# Altium PCB PCB1.PcbDoc (continued)
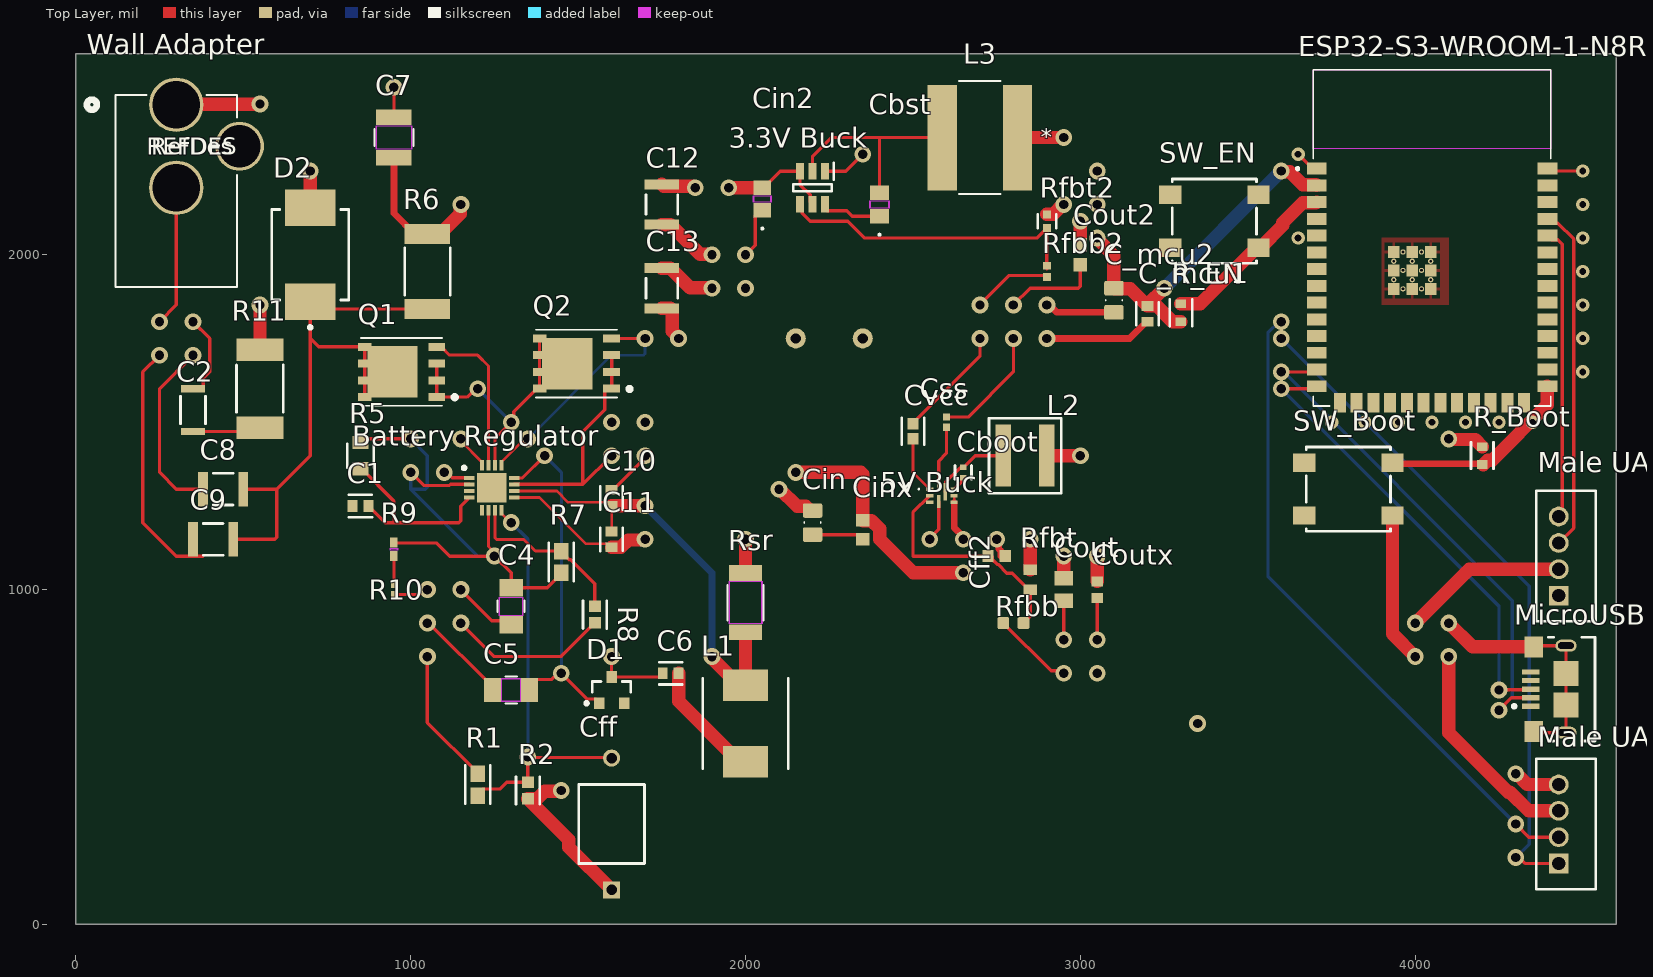
[diagram p0: Top Layer view]
## Footprints (in the part's own frame and the unit in brackets; to place one, negate y for a bottom-side part, rotate by r counter-clockwise, add the part's x,y. Pads: shape width x height; smd on the part's side, far side on the other; paste and mask are expansions set on the pad) (continued)
  rect 0.3x0.8 smd: 5(-0.75,-1.7) 6(-0.25,-1.7) 7(0.25,-1.7) 8(0.75,-1.7) 13(0.75,1.7) 14(0.25,1.7) 15(-0.25,1.7) 16(-0.75,1.7)
  rect 2.24x2.24 smd: 17(0,0)
  silkscreen extent -2.22,1.38 -1.97,1.62
R0603 [mil]
  rrect25% 35x35 smd: 1(0,30) 2(0,-30)
  body extent -31,-16 31,16, height 22
RC2010N_VIS [mm]
  rect 1.206x2.5 smd paste+0 mask+0: 1(-2.253,0) 2(2.253,0)
  Top Layer keep-out region: -1.599,-1.199 -1.599,1.199 1.599,1.199 1.599,-1.199
  Keep-Out Layer region: -1.599,-1.25 -1.599,1.25 1.599,1.25 1.599,-1.25
  silkscreen extent -1.34,-1.38 1.34,1.38, body extent -2.5,-1.25 2.5,1.25, height 0.71
RES_RMCF0402_STP [mil]
  rect 30x22 smd paste+0 mask+0: 1(-20.5,0) 2(20.5,0)
  Top Layer keep-out region: -3.5,-9 -3.5,9 3.5,9 3.5,-9
  Keep-Out Layer region: -3.5,-11 -3.5,11 3.5,11 3.5,-11
  body extent -21,-11 21,11, height 14
RESC0905X41N [mm]
  rect 0.57x0.63 smd: 1(-0.42,0) 2(0.42,0)
RESC1005X40X25LL05T10 [mm] "Chip Resistor, 2-Leads, Body 1.00x0.50mm, IPC High Density"
  rect 0.5x0.45 smd: 1(-0.375,0) 2(0.375,0)
  body extent -0.53,-0.27 0.53,0.28, height 0.4
RESC1608X55X25ML10T15 [mm] "Chip Resistor, 2-Leads, Body 1.70x0.90mm, IPC Low Density"
  rect 0.8x1 smd: 1(-0.75,0) 2(0.75,0)
  body extent -0.85,-0.45 0.85,0.45, height 0.55
SOT95P280X110-6N [mm]
  rect 1.25x0.6 smd: 1(-1.25,0.95) 2(-1.25,0) 3(-1.25,-0.95) 4(1.25,-0.95) 5(1.25,0) 6(1.25,0.95)
  silkscreen extent -1.88,-1.45 0.28,1.6
TPS566238RQFR [mm]
  rect 0.55x0.25 smd: 1(-0.925,0.5) 2(-0.925,0) 3(-0.925,-0.5) 5(0.925,-0.5) 6(0.925,0) 7(0.925,0.5)
  rect 0.25x1 smd: 4(-0.25,-0.45)
  rect 0.25x1.3 smd: 8(0.25,0.3)
  rect 0.25x0.55 smd: 9(-0.25,0.675)
  silkscreen extent -1.8,0.45 -1.7,0.55
TRANS_SIRA90DP-T1-GE3 [mm]
  rect 1.27x0.61 smd: 1(-2.67,1.905) 2(-2.67,0.635) 3(-2.67,-0.635) 4(-2.67,-1.905)
  rect 1.02x0.61 smd: 5(2.795,-1.905) 6(2.795,-0.635) 7(2.795,0.635) 8(2.795,1.905)
  rect 3.81x3.91 smd: 9(0.69,0)
  silkscreen extent -4.19,-2.58 3.08,2.58, body extent -3.07,-2.58 3.07,2.58, height 1.12
Vishay_CRCW0402-e3_MFG [mm]
  rect 0.6x0.6 smd paste+0 mask+0: 1(-0.525,0) 2(0.525,0)
  silkscreen extent -0.53,-0.7 0.53,0.7, body extent -0.92,-0.4 0.92,0.4, height 0.25
XCVR_ESP32S3WROOM1N8R8 [mm]
  rect 1.5x0.9 smd: 1(-8.75,5.26) 2(-8.75,3.99) 3(-8.75,2.72) 4(-8.75,1.45) 5(-8.75,0.18) 6(-8.75,-1.09) 7(-8.75,-2.36) 8(-8.75,-3.63) 9(-8.75,-4.9) 10(-8.75,-6.17) 11(-8.75,-7.44) 12(-8.75,-8.71) 13(-8.75,-9.98) 14(-8.75,-11.25) 27(8.75,-11.25) 28(8.75,-9.98) 29(8.75,-8.71) 30(8.75,-7.44) 31(8.75,-6.17) 32(8.75,-4.9) 33(8.75,-3.63) 34(8.75,-2.36) 35(8.75,-1.09) 36(8.75,0.18) 37(8.75,1.45) 38(8.75,2.72) 39(8.75,3.99) 40(8.75,5.26)
  rect 0.9x1.5 smd: 15(-6.985,-12.5) 16(-5.715,-12.5) 17(-4.445,-12.5) 18(-3.175,-12.5) 19(-1.905,-12.5) 20(-0.635,-12.5) 21(0.635,-12.5) 22(1.905,-12.5) 23(3.175,-12.5) 24(4.445,-12.5) 25(5.715,-12.5) 26(6.985,-12.5)
  rect 0.9x0.9 smd: 41_1(-1.5,-2.46) 41_2(-2.9,-2.46) 41_3(-0.1,-2.46) 41_4(-2.9,-3.86) 41_5(-1.5,-3.86) 41_6(-0.1,-3.86) 41_7(-2.9,-1.06) 41_8(-1.5,-1.06) 41_9(-0.1,-1.06)
  round 0.4 hole 0.2 mask+0: 41_10(-1.5,-1.76) 41_11(-2.9,-1.76) 41_12(-0.1,-1.76) 41_13(-2.9,-3.16) 41_14(-1.5,-3.16) 41_15(-0.1,-3.16) 41_16(-2.2,-1.06) 41_17(-0.8,-1.06) 41_18(-2.2,-2.46) 41_19(-0.8,-2.46) 41_20(-2.2,-3.86) 41_21(-0.8,-3.86)
  Keep-Out Layer region: 9,6.75 -9,6.75 -9,12.75 9,12.75
  Keep-Out Layer region: 9,6.75 -9,6.75 -9,12.75 9,12.75
  silkscreen extent -10.3,-12.75 9,12.75, body extent -9,-12.75 9,12.75, height 3.25

## Part data
"3.3V Buck": library part CMP-006-000000-1, "17 V Input, 3A Synchronous Step-Down Regulator in SOT-23", Manufacturer_Name="Texas Instruments", Mouser Part Number=595-TPS563209DDCR, Datasheet Link=http://www.ti.com/lit/gpn/tps563209, Design Item ID=TPS563209DDCR, Geometry.Height=1.1mm, Manufacturer_Part_Number=TPS563209DDCR, Mouser Price/Stock=https://www.mouser.co.uk/ProductDetail/Texas-Instruments/TPS563209DDCR?qs=bT6MOr62zwIer%2FLlyIAhvQ%3D%3D, Source=TPS563209DDCR.SchLib
"5V Buck": library part CMP-009-000000-1, "Switching Voltage Regulators 3-V to 18-V input, 6-A synchronous step-down regulator with forced continuous conduction mode 9-VQFN-HR -40 to 125", Manufacturer_Name="Texas Instruments", Mouser Part Number=595-TPS566238RQFR, Datasheet Link=https://www.ti.com/lit/ds/symlink/tps566238.pdf?ts=1674445033157&ref_url=https%253A%252F%252Fwww.ti.com%252Fproduct%252FTPS566238%252Fpart-details%252FTPS566238RQFR, Design Item ID=TPS566238RQFR, Geometry.Height=1mm, Manufacturer_Part_Number=TPS566238RQFR, Mouser Price/Stock=https://www.mouser.co.uk/ProductDetail/Texas-Instruments/TPS566238RQFR?qs=stqOd1AaK7%252BIxOvIy4vX6A%3D%3D, Source=TPS566238RQFR.SchLib
"Battery Regulator": library part CMP-012-000000-1, "Synchronous Switch-Mode Li-Ion or Li-Polymer Battery Charger", Manufacturer_Name="Texas Instruments", Mouser Part Number=595-BQ24600RVAR, Datasheet Link=http://www.ti.com/lit/gpn/bq24600, Design Item ID=BQ24600RVAR, Geometry.Height=1mm, Manufacturer_Part_Number=BQ24600RVAR, Mouser Price/Stock=https://www.mouser.co.uk/ProductDetail/Texas-Instruments/BQ24600RVAR?qs=3cDLNOBdYaUoGcV3mObKiw%3D%3D, Source=BQ24600RVAR.SchLib
C1 C6 C11 C_mcu1: library part CMP-2006-03724-3, "CAP CER 0.1UF 16V X7R 0603", Capacitance="0.10 μF", Manufacturer=KEMET, Package=C0603C-CF, Temperature="-55°C to +125°C", Temperature Characteristic=X7R, Temperature Coefficient=30ppm/°C, Temperature Range High=+125°C, Temperature Range Low=-55°C, Tolerance=0.1, Voltage Rating="16 V", Automotive=Yes, Automotive Grade="Grade 1", Category=Cap, ComponentLink2Description=Datasheet, ComponentLink2URL=https://api.kemet.com/component-edge/download/datasheet/C0603C100J5GACAUTO.pdf, Device Class L1="Passive Components", Device Class L2=Capacitors, Device Class L3="Ceramic Capacitors", Digikey Description="CAP CER 0.1UF 16V X7R 0603", Height=0.87mm, Lead Free=Yes, Manufacturer Part Number=C0603C104K4RAC7411, Material=Ceramic, Mouser Description="Cap Ceramic 0.1uF 16V X7R 10% SMD 0603 125°C Paper T/R", Octopart=https://octopart.com/c0603c104k4rac7411-kemet-3919501, RoHS=TRUE
C2: library part CMP-08246-002495-1, "Cap Ceramic 2.2uF 50V X7R 10% Pad SMD 1206 +125°C Automotive T/R", Capacitance=2.2uF, Case Code (Imperial)=1206, Case Code (Metric)=3216, Dielectric=X7R, Max Operating Temperature=125°C, Min Operating Temperature=-55°C, Package Quantity=1, Ratings=AEC-Q200, Tolerance=10%, Voltage Rating=50V, Case/Package=1206, Composition=Ceramic, Depth=1.6mm, Height=1.6mm, Length=3.2mm, Mount="Surface Mount", Packaging="Tape and Reel", REACH SVHC="No SVHC", Termination=SMD/SMT, Thickness=0.075inch, Voltage Rating (DC)=50V, Weight=0.000571oz, Width=0.063inch
C4 C5: "SMD Comm X7R, Ceramic, 1 uF, 10%, 16 VDC, X7R, SMD, MLCC, Temperature Stable, Class II, 1206", Manufacturer_Name=Kemet, Copyright="Copyright (C) 2025 Ultra Librarian. All rights reserved.", Datasheet=https://content.kemet.com/datasheets/KEM_C1002_X7R_SMD.pdf, Manufacturer_Part_Number=C1206C105K4RACTU
C7: "No Description Available", Manufacturer_Name=Murata, Copyright="Copyright (C) 2025 Ultra Librarian. All rights reserved.", Manufacturer_Part_Number=GRM32ER71H105KA01L
C8 C9 C12 C13: library part CMP-1038-02234-2, "Chip Capacitor, 10 uF, +/- 10%, 35 V, -55 to 125 degC, 1210 (3225 Metric), RoHS, Tape and Reel", Capacitance=10µF, Capacitance tolerance=±10%, Manufacturer=Murata, Package Description="2-Pin Surface Mount Device, Body 3.2 x 2.5 mm", Package Reference=1210, Rated Voltage=35VDC, Ceramic type=X7R, Construction form=1210, Datasheet URL=https://datasheet.ciiva.com/3777/grm32er7ya106ka1223-3777248.pdf, Datasheet Version=11/2014, Manufacturer URL=http://www.murata.com/, Mounting Technology=SurfaceMount
C10: library part CMP-2006-03061-2, "CAP CER 0.1UF 50V X7R 0603", Capacitance="0.10 μF", Manufacturer=KEMET, Package=C0603C-CF, Temperature="-55°C to +125°C", Temperature Characteristic=X7R, Temperature Coefficient=30ppm/°C, Temperature Range High=+125°C, Temperature Range Low=-55°C, Tolerance=0.1, Voltage Rating="50 V", Automotive=Yes, Automotive Grade="Grade 1", Category=Cap, ComponentLink2Description=Datasheet, ComponentLink2URL=https://api.kemet.com/component-edge/download/datasheet/C0603C100J5GACAUTO.pdf, Device Class L1="Passive Components", Device Class L2=Capacitors, Device Class L3="Ceramic Capacitors", Digikey Description="CAP CER 0.1UF 50V X7R 0603", Height=0.87mm, Lead Free=Yes, Manufacturer Part Number=C0603C104K5RACTU, Material=Ceramic, Octopart=https://octopart.com/c0603c104k5ractu-kemet-139244, RoHS=TRUE
C_mcu2 Cin Cout Rfbb2: Package=None, Availability=Unavailable, Price=None
  C_mcu2 Cin: MF="{'manufacturer': u'Taiyo Yuden'}", MP=MSASE21GBB5226MTNA01
  Cout: MP=altium_native_batch
  Rfbb2: MP=M55342K11B10E0RS3
Cboot: library part CMP-2100-03641-2, "CAP CER 0.1UF 16V X7R 0402", Capacitance=0.10μF, Manufacturer=Murata, Package=GRM15, Temperature="-55°C to +125°C", Temperature Characteristic=X7R, Temperature Range High=+125°C, Temperature Range Low=-55°C, Tolerance=10%, Voltage Rating=16Vdc, Category=Cap, ComponentLink2Description=Datasheet, ComponentLink2URL=https://search.murata.co.jp/Ceramy/image/img/A01X/G101/ENG/GRM155R71H471KA01-01A.pdf, Device Class L1="Passive Components", Device Class L2=Capacitors, Device Class L3="Ceramic Capacitors", Digikey Description="CAP CER 0.1UF 16V X7R 0402", Height=0.55mm, Ipc Land Pattern Name=CAPC10050X219, Lead Free=yes, Manufacturer Part Number=GRM155R71C104KA88D, Material=Ceramic, Mouser Description="0402 0.1 uF 16V ±10 % Tolerance X7R SMT Multilayer Ceramic Capacitor", Octopart=https://octopart.com/grm155r71c104ka88d-murata-196880, RoHS=TRUE, Standoff Height=0mm
Cbst: "Description", Manufacturer_Name="KYOCERA AVX", Copyright="Copyright (C) 2025 Ultra Librarian. All rights reserved.", Manufacturer_Part_Number=08053C104KAT2A
Cff: library part CMP-06035-012369-1, "Cap Ceramic Disc 22pF 10% 500VAC Thru-Hole 6.0x5.0x10.0 Ammo pack"
Cff2: library part CMP-2006-04137-1, Manufacturer="AVX Interconnect / Elco", Part Number=06033A330JAT2A
Cin2: "Description", Manufacturer_Name="TAIYO YUDEN", Copyright="Copyright (C) 2025 Ultra Librarian. All rights reserved.", Manufacturer_Part_Number=MSAST219LB5106KTNA01
Cinx: library part CMP-2100-03643-1, "Chip Capacitor, 0.1 uF, +/- 10%, 50 V, -55 to 125 degC, 0603 (1608 Metric), RoHS, Tape and Reel", Capacitance=100nF, Case Code (Imperial)=0603, Case Code (Metric)=1608, Dielectric=X7R, Dielectric Material=Ceramic, Insulation Resistance=10GR, Manufacturer=Murata, Max Operating Temperature=125degC, Min Operating Temperature=-55degC, Package Description="2-Pin Surface Mount Device, Body 1.6 x 0.8 mm", Package Quantity=1, Tolerance=10%, Voltage=50V, Case/Package=0603, Contact Plating=Tin, Datasheet URL=http://psearch.en.murata.com/capacitor/product/GRM188R71H104KA93%23.pdf, Datasheet Version=42675.0, Depth=0.8mm, Height=0.8mm, Lead Free=LeadFree, Length=1.6mm, Manufacturer URL=http://www.murata.com/, Material=Ceramic, Mount=SurfaceMount, Number of Pins=2, Package Reference=0603, Packaging=TapeandReel, Radiation Hardening=No, REACH SVHC=NoSVHC, RoHSCompliant=true, Termination=SMD/SMT, Thickness=0.035inch, Voltage Rating=50V, Voltage Rating (DC)=50V, Width=0.8mm
Cout2: "22 ÂµF Â±20% 6.3V Ceramic Capacitor X5R 0603 (1608 Metric)", Package="1608 Murata", Check_prices=https://www.snapeda.com/parts/GRM188R60J226MEA0D/Murata/view-part/?ref=eda, MF=Murata, MP=GRM188R60J226MEA0D, SnapEDA_Link=https://www.snapeda.com/parts/GRM188R60J226MEA0D/Murata/view-part/?ref=snap
Coutx: library part CMP-2006-02868-1, Manufacturer=Murata, Part Number=GRM188R71E104KA01D
Css: library part CMP-2000-06332-1, "Chip Capacitor, 10 nF, 16 V, 10%, -55 to 125 degC, 0402 (1005 Metric), RoHS, Tape and Reel", Capacitance=10000pF, Case Size/Dimension=0402, Dielectric=X7R, Manufacturer=Murata, Package Description="2-Pin Surface Mount Device, Body 1 x 0.5 mm", Rated Voltage=16V, Tolerance (%)=±10%, Datasheet URL=http://psearch.en.murata.com/capacitor/product/GRM155R71C103KA01%23.pdf, Datasheet Version=06/2016, Manufacturer URL=http://www.murata.com/, Mounting Technology=SurfaceMount, Package Reference=0402
Cvcc: library part CMP-14477-000018-3, "None", Capacitance=1uF, Case Code (Imperial)=0603, Case Code (Metric)=1608, Dielectric=X7R, Max Operating Temperature=125°C, Min Operating Temperature=-55°C, Package Quantity=1, Resistor Type=Ceramic, Tolerance=10%, Voltage Rating=16V, Case/Package=0603, Construction=Flat, Contact Plating=Nickel, Depth=0.8mm, Halogen Free="Halogen Free", Height=0.8mm, Lead Free="Lead Free", Length=1.6mm, Mount="Surface Mount", Number of Pins=2, Packaging="Tape and Reel", Radiation Hardening=No, REACH SVHC="No SVHC", RoHS Compliant=Yes, Series=M, Termination=SMD/SMT, Thickness=0.035inch, Voltage Rating (DC)=16V, Width=0.031inch
D1: library part CMP-1055-00545-1, "Dual Common Cathode Schottky Barrier Diodes, 3-Pin SOT-23, Pb-Free, Tape and Reel", Manufacturer="On Semiconductor", ComponentLink1Description="Manufacturer URL", ComponentLink1URL=http://www.onsemi.com/, ComponentLink2Description=Datasheet, ComponentLink2URL=http://www.onsemi.cn/pub_link/Collateral/BAT54CLT1-D.PDF, ComponentLink3Description="Package Specification", ComponentLink3URL=http://www.onsemi.cn/pub_link/Collateral/318-08.PDF, Configuration="Common Cathode", DatasheetVersion="Rev. 8", IFSM Max (A)=0.6, Mounting Technology="Surface Mount", PackageDescription="3-Pin Small Outline Transistor, Body 2.92 x 1.3 mm, Pitch 0.95 mm", PackageReference=SOT-23-3-318-08, PackageVersion="Rev. AP, 11/2009", Packing="Tape and Reel", PartNumber=BAT54CLT3G, RoHS=TRUE, trr Max (ns)=5
D2: library part CMP-1055-00390-1, "Schottky Power Rectifier, 2-Pin SMC, Pb-Free, Tape and Reel", Manufacturer="On Semiconductor", ComponentLink1Description="Manufacturer URL", ComponentLink1URL=http://www.onsemi.com/, ComponentLink2Description=Datasheet, ComponentLink2URL=http://www.onsemi.cn/pub_link/Collateral/MBRS540T3-D.PDF, ComponentLink3Description="Package Specification", ComponentLink3URL=http://www.onsemi.com/pub_link/Collateral/403-03.PDF, Configuration=Single, DatasheetVersion="Rev. 8", IFSM Max (A)=190, Mounting Technology="Surface Mount", PackageDescription="2-Pin Small Molded Package, J-Bend Lead, Body 5.845 x 6.855 mm", PackageReference=SMC-2-403-03, PackageVersion="Rev. E, 08/2005", Packing="Tape and Reel", PartNumber=MBRS540T3G, RoHS=TRUE
ESP32-S3-WROOM-1-N8R8: library part CMP-003-000001-1, "Bluetooth, WiFi 802.11b/g/n, Bluetooth v5.0 Transceiver Module 2.4GHz PCB Trace Surface Mount", Package=None, Availability="In Stock", Check_prices=https://www.snapeda.com/parts/ESP32-S3-WROOM-1-N8R8/Espressif+Systems/view-part/?ref=eda, Component Type=Standard, Design Item ID=ESP32-S3-WROOM-1-N8R8, MF="Espressif Systems", MP=ESP32-S3-WROOM-1-N8R8, Pin Count=49, Price=None, Purchase-URL=https://pricing.snapeda.com/search?q=ESP32-S3-WROOM-1-N8R8&ref=eda, SnapEDA_Link=https://www.snapeda.com/parts/ESP32-S3-WROOM-1-N8R8/Espressif+Systems/view-part/?ref=snap, Source=ESP32-S3-WROOM-1-N8R8.SchLib
L1: "Power Choke Shielded Wirewound 3.3uH 20% 100KHz Powdered Iron 6A 0.03Ohm DCR 2525 Automotive T/R", Manufacturer_Name=Vishay, Mouser Part Number=70-IHLP2525CZR3R3MA1, Datasheet Link=https://www.vishay.com/docs/34241/ihlp-2525cz-a1.pdf, Geometry.Height=3mm, Manufacturer_Part_Number=IHLP2525CZER3R3MA1, Mouser Price/Stock=https://www.mouser.co.uk/ProductDetail/Vishay-Dale/IHLP2525CZER3R3MA1?qs=ROh%252BA47s9d1%252BbNZuCM0reg%3D%3D
L2: library part CMP-11268-000050-1, "Fixed Inductors 2.2uH 20% 9.7A 14.5mOhms", DC Resistance (DCR)=14.5mR, Inductance=2.2uH, Max DC Current=9.2A, Max Operating Temperature=125°C, Min Operating Temperature=-40°C, Package Quantity=20, Self Resonant Frequency=38MHz, Test Frequency=100kHz, Tolerance=20%, Core Material=Composite, Height=3.1mm, Lead Free="Contains Lead", Length=5.68mm, Packaging="Tape and Reel", Shielding=Shielded, Termination=SMD/SMT, Width=5.48mm
L3: "Description", Manufacturer_Name="Bourns Electronics", Copyright="Copyright (C) 2025 Ultra Librarian. All rights reserved.", Manufacturer_Part_Number=SRN8040-2R2Y
"Male UART Programming" "Male UART Radar": library part CMP-002-00073-1, "Connector Header, PH Series, 4 Position, 2.00mm, Solder, Through Hole, Tin, Natural"
MicroUSB: library part CMP-2000-05119-1, "Micro USB B Type Receptacle, -55 to 85 degC, 5-Pin SMD, RoHS, Tape and Reel", Color=Black, Current Rating=1.8A, Flammability Rating=UL94V-0, Insulation Resistance=1000MOhms, Manufacturer=FCI, Operating Temperature Range=-55Cto+85C, Brand=FCI, Connector Type=MicroUSBTypeBreceptacle, Contact Material=CopperAlloy, Contact Plating=Gold, Datasheet URL=http://datasheet.octopart.com/10118193-0001LF-FCI-datasheet-55953155.pdf, Datasheet Version="Rev. C, 05/2015", Factory Pack Quantity=1200, Gender=Female, Manufacturer URL=http://www.fci.com/, Mounting Angle=Right, Number of Contacts=5Contact, Packaging=Reel, Product=MicroUSBTypeBConnectors, Product Category=USBConnectors, RoHS=Details, Standard=USB2.0, Termination Style=SMD/SMT
Q1 Q2: "40V 30A 41.7W 10.5mohm @ 10V", Package="PowerPAK SO-8 Vishay", Check_prices=https://www.snapeda.com/parts/SIR426DP-T1-GE3/Vishay/view-part/?ref=eda, MF="Vishay Siliconix", MP=SIR426DP-T1-GE3, SnapEDA_Link=https://www.snapeda.com/parts/SIR426DP-T1-GE3/Vishay/view-part/?ref=snap
R1 R7: library part CMP-2000-02426-2, "100kΩ ±0.5% 0.0625W 1/16W Chip Resistor 0603 (1608 Metric) Thin Film", Case Code (Imperial)=0603, Case Code (Metric)=1608, Max Operating Temperature=125°C, Max Power Dissipation=63mW, Min Operating Temperature=-55°C, Package Quantity=1, Resistance=100kR, Resistance Tolerance=0.5%, Resistor Type="Thin Film", Temperature Coefficient=25ppm/°C, Voltage Rating=75V, Case/Package=0603, Depth=0.8mm, Height=0.4mm, Lead Free="Lead Free", Length=1.6mm, Number of Pins=2, Number of Terminations=2, Packaging="Tape and Reel", Power Rating=63mW, RoHS Compliant=Yes, Series=RR, Technology="THIN FILM", Termination=SMD/SMT, Tolerance=0.5%, Voltage Rating (DC)=75V, Width=0.8mm, Working Voltage=75V
R2: library part CMP-2000-02605-2, "300kΩ ±0.5% 0.0625W 1/16W Chip Resistor 0603 (1608 Metric) Thin Film", Case Code (Imperial)=0603, Case Code (Metric)=1608, Max Operating Temperature=125°C, Max Power Dissipation=63mW, Min Operating Temperature=-55°C, Package Quantity=1, Resistance=300kR, Resistance Tolerance=0.5%, Resistor Type="Thin Film", Temperature Coefficient=25ppm/°C, Voltage Rating=75V, Case/Package=0603, Depth=0.8mm, Height=0.02inch, Lead Free="Lead Free", Length=0.063inch, Number of Pins=2, Number of Terminations=2, Packaging="Tape and Reel", Power Rating=63mW, RoHS Compliant=Yes, Series=RR, Size Code=0603, Technology="THIN FILM", Termination=SMD/SMT, Tolerance=0.5%, Voltage Rating (DC)=75V, Width=0.031inch
R5: library part CMP-2000-02416-2, "100Ω ±0.5% 0.0625W 1/16W Chip Resistor 0603 (1608 Metric) Thin Film", Case Code (Imperial)=0603, Case Code (Metric)=1608, Max Operating Temperature=125°C, Max Power Dissipation=63mW, Min Operating Temperature=-55°C, Package Quantity=1, Resistance=100R, Resistance Tolerance=0.5%, Resistor Type="Thin Film", Temperature Coefficient=25ppm/°C, Voltage Rating=75V, Case/Package=0603, Depth=0.8mm, Height=0.4mm, Lead Free="Lead Free", Length=1.6mm, Number of Pins=2, Number of Terminations=2, Packaging="Cut Tape", Power Rating=63mW, RoHS Compliant=Yes, Series=RR, Size Code=0603, Technology="THIN FILM", Termination=SMD/SMT, Tolerance=0.5%, Voltage Rating (DC)=75V, Weight=7.1E-05oz, Width=0.031inch
R6: library part CMP-26527-002316-1, "10Ω ±5% 1W 2512 Thick Film Chip Resistor AEC-Q200 compliant", Case Code (Imperial)=2512, Case Code (Metric)=6432, Max Operating Temperature=155°C, Max Power Dissipation=1W, Min Operating Temperature=-55°C, Resistance=10R, Resistor Type="Thick Film", Temperature Coefficient=200ppm/°C, Tolerance=5%, Case/Package=2512, Construction=Rectangular, Contact Plating=Tin, Depth=3.2mm, Features="Automotive AEC-Q200", Height=0.028inch, Lead Free="Lead Free", Length=0.248inch, Military Standard=Not, Mount="Surface Mount", Number of Terminations=2, Packaging="Tape and Reel", Power Rating=1W, Radiation Hardening=No, RoHS Compliant=Yes, Series=RMCF, Size Code=2512, Width=0.126inch
R8: library part CMP-2000-02489-2, "150kΩ ±0.5% 0.0625W 1/16W Chip Resistor 0603 (1608 Metric) Thin Film", Case Code (Imperial)=0603, Case Code (Metric)=1608, Max Operating Temperature=125°C, Max Power Dissipation=63mW, Min Operating Temperature=-55°C, Package Quantity=1, Resistance=150kR, Resistance Tolerance=0.5%, Resistor Type="Thin Film", Temperature Coefficient=25ppm/°C, Voltage Rating=75V, Case/Package=0603, Depth=0.8mm, Height=0.4mm, Lead Free="Lead Free", Length=1.6mm, Number of Pins=2, Number of Terminations=2, Packaging="Tape and Reel", Power Rating=63mW, RoHS Compliant=Yes, Series=RR, Size Code=0603, Technology="THIN FILM", Termination=SMD/SMT, Tolerance=0.5%, Voltage Rating (DC)=75V, Width=0.8mm
R9: "No Description Available", Manufacturer_Name="Stackpole International", Copyright="Copyright (C) 2025 Ultra Librarian. All rights reserved.", Manufacturer_Part_Number=RMCF0402FT9K31
R10: library part CMP-2002-07689-1, Manufacturer="Yageo / Phycomp", Part Number=RC0402FR-07442KL
R11: library part CMP-26527-006700-1, "2Ω ±5% 1W 2512 Thick Film Chip Resistor AEC-Q200 compliant", Case Code (Imperial)=2512, Case Code (Metric)=6432, Max Operating Temperature=155°C, Max Power Dissipation=1W, Min Operating Temperature=-55°C, Resistance=2R, Resistor Type="Thick Film", Temperature Coefficient=400ppm/°C, Tolerance=5%, Case/Package=2512, Construction=Rectangular, Contact Plating=Tin, Depth=3.2mm, Features="Automotive AEC-Q200", Height=0.028inch, Lead Free="Lead Free", Length=0.248inch, Military Standard=Not, Mount="Surface Mount", Number of Terminations=2, Packaging="Tape and Reel", Power Rating=1W, Radiation Hardening=No, RoHS Compliant=Yes, Series=RMCF, Size Code=2512, Width=0.126inch
R_Boot R_EN: library part CMP-2100-03664-2, "RES 10K OHM 1% 1/10W 0603", Case Code (Imperial)=0603, Case Code (Metric)=1608, Max Operating Temperature=155°C, Max Power Dissipation=100mW, Min Operating Temperature=-55°C, Resistance=10kR, Resistance Tolerance=1%, Resistor Type="Thick Film", Temperature Coefficient=100ppm/°C, Voltage Rating=75V, Voltage Rating (DC)=50V, Case/Package=0603, Construction=Rectangular, Depth=0.8mm, Features="Moisture Resistant", Height=0.45mm, Lead Free="Lead Free", Lead Pitch=0.3mm, Length=1.6mm, Military Standard=Not, Number of Pins=2, Number of Terminations=2, Packaging="Tape and Reel", Power Rating=100mW, RoHS Compliant=Yes, Series=RC, Size Code=0603, Termination=SMD/SMT, Tolerance=1%, Weight=7.1E-05oz, Width=0.8mm
Rfbb: "30 kOhms Â±1% 0.1W, 1/10W Chip Resistor 0603 (1608 Metric) Moisture Resistant Thick Film", Package="SMD-2 Yageo", Availability="In Stock", Check_prices=https://www.snapeda.com/parts/RC0603FR-0730KL/Yageo/view-part/?ref=eda, MF=Yageo, MP=RC0603FR-0730KL, Price=None, Purchase-URL=https://pricing.snapeda.com/search?q=RC0603FR-0730KL&ref=eda, SnapEDA_Link=https://www.snapeda.com/parts/RC0603FR-0730KL/Yageo/view-part/?ref=snap
Rfbt: library part CMP-1659-00037-1, "Chip Resistor, 220 KOhm, +/- 1%, 100 mW, -55 to 155 degC, 0603 (1608 Metric), RoHS, Tape and Reel", Max Operating Temperature="70 degC", Min Operating Temperature="-25 degC", Resistance="0.1 Ohm", ComponentLink1Description="Manufacturer URL", ComponentLink1URL=http://www.yageo.com/, ComponentLink2Description=Datasheet, ComponentLink2URL=http://www.yageo.com/documents/recent/PYu-RC_Group_51_RoHS_L_04.pdf, DatasheetVersion="Rev. 4, 02/2016", Height="0.25 inch", Length="0.75 inch", PackageDescription="2-Pin Surface Mount Device, Body 1.6 x 0.8 mm", PackageReference=0603, REACH SVHC="No SVHC", RoHSCompliant=true, Width="0.25 inch"
Rfbt2: library part CMP-2002-08529-2, Case Code (Imperial)=0402, Case Code (Metric)=1005, Max Operating Temperature=155°C, Max Power Dissipation=63mW, Min Operating Temperature=-55°C, Resistance=33.2kΩ, Temperature Coefficient=100ppm/°C, Tolerance=1%, Voltage Rating=50V, Case/Package=0402, Composition="Thick Film", Contact Plating=Tin, Depth=500µm, Features="Automotive AEC-Q200", Height=350µm, Lead Free="Lead Free", Length=1mm, Military Standard=Not, Mount="Surface Mount", NexarPartId=39869749, Number of Pins=2, Number of Terminations=2, Packaging="Cut Tape", Power Rating=63mW, Radiation Hardening=No, REACH SVHC=Unknown, RoHS=Compliant, Schedule B="8533210045, 8533210045", Termination=SMD/SMT, Voltage Rating (DC)=50V, Weight=652.039032µg, Width=500µm
Rsr: "WSL-2010-18 .01 1% EA e3", Manufacturer_Name=Vishay, Copyright="Copyright (C) 2025 Ultra Librarian. All rights reserved.", Manufacturer_Part_Number=WSL2010R0100FEA18
SW_Boot SW_EN: library part CMP-1455-00006-3, "Switch Tactile Spst-no 0.05A 12V", Current Rating=50mA, Insulation Resistance=100MΩ, Max Operating Temperature=85°C, Min Operating Temperature=-40°C, Voltage Rating=12V, Actuator Material="Liquid Crystal Polymer, Polymer", Contact Plating=Silver, Height=3.5mm, Illumination Type=Non-Illuminated, Mechanical Life=500kcycles, Mount="Surface Mount", Packaging="Tape and Reel", RoHS=Compliant, Switch Function=Off-Mom, Switch Travel=250µm, Throw Configuration=SPST
"Wall Adapter": "Description", Manufacturer_Name="Global Connector Technology", Copyright="Copyright (C) 2025 Ultra Librarian. All rights reserved.", Manufacturer_Part_Number=DCJ200-10-A-K1-K, RefDes=RefDes, Type=Type

## Free pads (board coordinates)
  round 60 hole 30: 4(2150,1750) 6(2350,1750)

## Via types
v1: diameter 50, hole 28, Top Layer to Layer 3, 88 vias
v2: diameter 40, hole 20, Top Layer to Layer 3, 16 vias

## Nets (pads, with @x,y where several pads share a name; then routed paths per layer and width w, separated by ;. In a path a pad name is that pad's centre, name@x,y a point inside that pad or via, vN(x,y) a via of type N, cw(c..) or ccw(c..) an arc to the next point about the centre after c; other vN are vias at no path point)
"3.3V DC": C_mcu1.1 C_mcu2.2 Cout2.2 ESP32-S3-WROOM-1-N8R8.2 L3.1 R_Boot.1 R_EN.2 Rfbt2.2 | length 2826
  Top Layer w40: L3.1 v1(2950,2350) ; Rfbt2.2 2900.47,2121.14 2918.44,2121.14 2947.29,2150 v1(2950,2150) ; Cout2.2 v1(3000,2100) ; v1(3050,2050) 3050,2047.29 3100,1997.29 C_mcu2.2 3101.65,1898.35 3148.9,1898.35 C_mcu1.1 ; v1(3050,2250) v1@3052.71,2250 ; v1(3250,1900) 3200,1850 C_mcu1.1 ; R_EN.2 3274.91,1800 3227.66,1847.24 C_mcu1.1 ; v1(3600,2250) 3601.91,2248.09 3624.84,2248.09 3663.56,2209.37 3703.23,2209.37 ESP32-S3-WROOM-1-N8R8.2 ; v1(4100,1450) 4101.91,1448.09 4178.56,1448.09 R_Boot.1
  Power w40: v1(3050,2150) 3400,2150 v1(4100,1450)
  Layer 3 w40: v1(3250,1900) v1(3600,2250)
"5V DC": "Male UART Radar.4" Cff2.2 Cout.2 Coutx.2 L2.2 Rfbt.2 | length 1541.2
  Top Layer w20: v1(2750,1150) 2755.74,1144.26 2755.74,1121.87 2762.5,1115.11 2762.5,1100
  Top Layer w40: Rfbt.2 v1(2850,1150) ; L2.2 v1(3000,1400) ; Cout.2 v1(2950,1100) ; Coutx.2 v1(3050,1100) ; v1(4300,450) 4302.71,450 4334.6,418.11 4428.35,418.11
  Power w40: v1(3350,600) 3500,450 v1(4300,450)
Boot: ESP32-S3-WROOM-1-N8R8.27 R_Boot.2 SW_Boot.B1 | length 594
  Top Layer w20: SW_Boot.B1 3934.58,1376.05 4197.31,1376.05 R_Boot.2 R_Boot.2@4203.02,1373.36
  Top Layer w40: R_Boot.2@4203.02,1373.36 4216.3,1386.64 4229.3,1386.64 4394.49,1551.83 ESP32-S3-WROOM-1-N8R8.27
"D+ Programming": ESP32-S3-WROOM-1-N8R8.14 MicroUSB.3 | length 1373.5
  Top Layer w10: v1(3600,1600) 3698.43,1600 ESP32-S3-WROOM-1-N8R8.14 ; v1(4250,700) 4251.38,701.38 4343.31,701.38 MicroUSB.3
  Layer 3 w10: v1(3600,1600) 4250,950 v1(4250,700)
"D- Programming": ESP32-S3-WROOM-1-N8R8.13 MicroUSB.2 | length 1534.8
  Top Layer w10: v1(3600,1650) 3698.43,1650 ESP32-S3-WROOM-1-N8R8.13 ; v1(4250,640) 4287.17,677.17 MicroUSB.2
  Layer 3 w10: v1(3600,1650) 3606.57,1650 4290,966.57 4290,680 v1(4250,640)
  other v2: 3750,1500
EN: ESP32-S3-WROOM-1-N8R8.3 R_EN.1 SW_EN.B2 | length 535.9
  Top Layer w40: R_EN.1 3358.01,1853.28 3525.98,2021.26 SW_EN.B2 3537.8,2021.26 3604.46,2087.92 3604.46,2095.7 3663.56,2154.8 3703.23,2154.8 ESP32-S3-WROOM-1-N8R8.3
GND: "3.3V Buck.1" "5V Buck.4" "Battery Regulator.11" "Male UART Programming.2" "Male UART Radar.3" "Wall Adapter.2" C1.2 C2.2 C4.1 C5.1 C7.1 C8.1 C9.1 C10.1 C12.2 C13.2 C_mcu1.2 C_mcu2.1 Cin2.1 Cin.1 Cinx.1 Cout2.1 Cout.1 Coutx.1 Css.1 Cvcc.2 ESP32-S3-WROOM-1-N8R8.1 ESP32-S3-WROOM-1-N8R8.40 ESP32-S3-WROOM-1-N8R8.41_1 ESP32-S3-WROOM-1-N8R8.41_2 ESP32-S3-WROOM-1-N8R8.41_3 ESP32-S3-WROOM-1-N8R8.41_4 ESP32-S3-WROOM-1-N8R8.41_5 ESP32-S3-WROOM-1-N8R8.41_6 ESP32-S3-WROOM-1-N8R8.41_7 ESP32-S3-WROOM-1-N8R8.41_8 ESP32-S3-WROOM-1-N8R8.41_9 MicroUSB.5 MicroUSB.6 MicroUSB.7 MicroUSB.8 MicroUSB.9 MicroUSB.10 MicroUSB.11 pad.6 Q2.1 Q2.2 Q2.3 R1.1 R8.2 R10.1 Rfbb2.1 Rfbb.1 SW_Boot.A1 SW_EN.A2 | length 10110
  Top Layer w10: v1(250,1700) 200,1650 200,1200 300,1100 379.92,1100 ; v1(250,1800) 300,1850 300,2200 ; C2.2 374.61,1600 380.56,1605.95 380.56,1630.56 400,1650 400,1750 v1(350,1800) ; v1(350,1700) 250,1600 250,1350 300,1300 C8.1 ; R10.1 1024.41,985.24 1039.18,1000 v1(1050,1000) ; C7.1 v1(950,2500) ; v1(1050,800) 1050,602.93 1200,452.93 R1.1 ; v1(1050,900) 1054.5,900 1244.77,709.73 C5.1 ; v1(1150,900) 1250,800 1448.25,800 1548.99,900.74 R8.2 ; v1(1150,1000) 1242.53,907.47 1287.3,907.47 C4.1 ; 1309.06,1314.17 1514.17,1314.17 ; C10.1 1602.95,1297.24 1700,1394.29 v1(1700,1400) ; v1(1600,1400) 1514.17,1314.17 ; Q2.3 Q2.2 Q2.1 1587.01,1600 1580,1592.99 1580,1536.57 1514.17,1470.74 1514.17,1314.17 ; v1(2000,2000) 2028.5,2028.5 2028.5,2116 2045.5,2133 Cin2.1 ; Cin.1 2200.28,1163.7 2336.3,1163.7 Cinx.1 ; 2237.4,2249.21 2299.21,2249.21 v1(2350,2300) ; Cvcc.2 2500,1496.35 2700,1696.35 v1(2700,1750) ; v1(2550,1150) 2550,1153.42 2576.57,1179.99 2576.57,1262.6 ; Css.1 2665.35,1515.35 2800,1650 v1(2800,1750) ; v1(2700,1850) 2787.99,1937.99 Rfbb2.1@2900,1937.99 ; Rfbb.1 2912.35,757.65 2942.35,757.65 v1(2950,750) ; v1(2800,1850) 2850,1900 2994.14,1900 3000,1905.86 Cout2.1 ; v1(2950,850) Cout.1 ; v1(3050,850) Coutx.1 ; v2(3650,2300) 3650.79,2300 3693.7,2257.09 ESP32-S3-WROOM-1-N8R8.1 ; MicroUSB.6 4357.48,572.83 MicroUSB.10 MicroUSB.8 MicroUSB.9 MicroUSB.11 4357.48,832.68 MicroUSB.7 ; ESP32-S3-WROOM-1-N8R8.40 4401.57,2250 v2(4500,2250)
  Top Layer w20: v1(2900,1750) 3147.05,1750 3197.05,1800 C_mcu1.2 ; v1(2900,1850) 2908.12,1850 2930.17,1827.95 C_mcu2.1
  Top Layer w40: C13.2 1775.94,1960.04 1834.07,1901.91 1898.09,1901.91 v1(1900,1900) ; C12.2 1775.94,2089.96 1863.99,2001.91 1898.09,2001.91 v1(1900,2000) ; SW_Boot.A1 3931.89,868.11 v1(4000,800) ; v1(4000,900) 4160.63,1060.63 4428.35,1060.63 ; v1(4100,800) 4100,572.22 4277.22,395 4282.78,395 4338.41,339.37 4428.35,339.37 ; v1(4100,900) 4171.26,828.74 MicroUSB.7
  other v1: 3050,750 1600,1500 1700,1500 2000,1900
  other v2: 3950,1500 4050,1500 4150,1500 4250,1500 4350,1500 4500,1650 4500,1750 4500,1850 4500,1950 3650,2050 4500,2050 4500,2150
"Net3.3V Buck_2": "3.3V Buck.2" Cbst.2 L3.2 | length 620.2
  Top Layer w10: 2200,2249.21 2200,2294.14 2255.86,2350 2400,2350 ; Cbst.2 2400,2350 ; L3.2 2400,2350
"Net3.3V Buck_3": "3.3V Buck.3" "3.3V Buck.5" "5V Buck.5" "5V Buck.6" "Battery Regulator.9" C11.2 C12.1 C13.1 Cff.1 Cin2.2 Cin.2 Cinx.2 pad.4 R2.2 Rsr.1 | length 3578
  Top Layer w8: 1309.06,1274.8 1384.71,1274.8 1522.37,1137.14 1589.24,1137.14 C11.2 ; 2622.83,1260.63 2622.83,1280.32
  Top Layer w10: Cin2.2@2054.5,2200 2103.71,2249.21 2162.6,2249.21 2162.6,2209.61 2193.19,2179.02 2193.19,2157.6 2200,2150.79 ; Cin.2@2187.39,1248.63 Cin.2 ; 2344.14,1350 2350,1344.14
  Top Layer w20: 2622.83,1260.63 2622.83,1185.28 2650,1158.12 v1(2650,1150)
  Top Layer w40: v1(1450,400) 1448.09,398.09 1400.55,398.09 1377.83,375.37 R2.2 1472.2,253.16 1472.2,230.94 Cff.1 ; C11.2 1627.66,1126.38 1649.37,1148.09 1698.09,1148.09 v1(1700,1150) ; C13.1 1775.94,1839.96 1781.18,1834.72 1781.18,1771.52 1800,1752.71 v1(1800,1750) ; C12.1 1755.24,2204.8 1842.49,2204.8 1847.29,2200 v1(1850,2200) ; v1(1950,2200) Cin2.2@2054.5,2200 ; Rsr.1 v1(2000,1150) ; v1(2100,1300) 2102.71,1300 2154.07,1248.63 2179.91,1248.63 Cin.2@2190.87,1237.68 ; v1(2150,1350) 2344.14,1350 ; 2350,1344.14 Cinx.2 2350,1206.46 2350.67,1205.79 2376.01,1205.79 2400.67,1181.13 2400.67,1149.83 2500.5,1050 v1(2650,1050)
  Power w40: v1(1450,400) 1544.41,494.41 1544.41,666.63 1700,822.22 v1(1700,1150) ; v1(2650,1050) v1(2650,1150)
"Net3.3V Buck_4": "3.3V Buck.4" Rfbb2.2 Rfbt2.1 | length 913.5
  Top Layer w10: 2162.6,2150.79 2169.41,2143.98 2169.41,2123.75 2193.16,2100 2304.97,2100 2354.97,2050 2870.67,2050 Rfbt2.1 ; Rfbb2.2@2900,1957.99 2900,1961.02 Rfbt2.1@2900,2068.31
"Net3.3V Buck_6": "3.3V Buck.6" Cbst.1 | length 185.1
  Top Layer w10: 2237.4,2150.79 2237.4,2137.99 2244.21,2131.18 2302.07,2131.18 2318.64,2114.61 Cbst.1
"Net5V Buck_1": "5V Buck.1" Cvcc.1 | length 174.2
  Top Layer w8: Cvcc.1 2500,1350 2543.17,1306.83 2543.17,1300.92 2544.09,1300 2550,1300
"Net5V Buck_2": "5V Buck.2" Cff2.1 Rfbb.2 Rfbt.1 | length 706.8
  Top Layer w10: 2550,1280.32 2500,1230.32 2500,1100 2737.5,1100 2737.5,1089.64 2752.14,1075 2754.46,1075 2780.32,1049.14 2796.93,1049.14 2846.06,1000 Rfbt.1 2850,920 Rfbb.2
"Net5V Buck_7": "5V Buck.7" Cboot.1 | length 46.7
  Top Layer w10: 2622.83,1300 2622.83,1300.08 2645.16,1322.4 2645.16,1331.38 2648.03,1334.25 Cboot.1
"Net5V Buck_8": "5V Buck.8" Cboot.2 L2.1 | length 234.1
  Top Layer w10: 2596.26,1292.13 2596.26,1293.78 2597.01,1294.53 2597.01,1320.19 2639.69,1362.87 2649.09,1362.87 2686.22,1400 L2.1
"Net5V Buck_9": "5V Buck.9" Css.2 | length 187.5
  Top Layer w10: 2576.57,1306.89 2576.57,1383.92 2600,1407.34 Css.2
"NetBattery Regulator_1": "Battery Regulator.1" C7.2 R6.1 | length 1350.1
  Top Layer w10: v1@1108.12,1350 1124.26,1333.86 1175.2,1333.86
  Top Layer w20: C7.2 950,2123.84 1011.6,2062.24 R6.1 ; v1(1100,1350) v1@1108.12,1350
  Top Layer w40: R6.1 1088.4,2062.24 1148.09,2121.93 1148.09,2148.09 v1(1150,2150)
  Power w40: v1(1100,1350) 1100,1352.71 1095,1357.71 1095,1759.76 1150,1814.76 v1(1150,2150)
"NetBattery Regulator_2": "Battery Regulator.2" "Battery Regulator.6" C4.2 R7.1 R9.2 | length 1694.7
  Top Layer w8: 1116.15,1311 1119.33,1314.17
  Top Layer w9: 1232.28,1237.4 1232.28,1128.54 v1@1250,1110.82
  Top Layer w10: 850,1439.37 860.63,1450 v1(1000,1450) ; R9.2 952,1139 1078.09,1139 1117.09,1100 v1(1250,1100) ; v1(1000,1350) 1039,1311 1116.15,1311 ; 1119.33,1314.17 1175.2,1314.17 ; v1@1250,1110.82 v1(1250,1100) ; R7.1 1450,1047.07 1408.16,1005.23 C4.2 1300,1050 v1(1250,1100)
  Layer 3 w10: v1(1000,1350) 1000,1300 ; v1(1000,1450) 1050,1400 1050,1305.86 1044.14,1300 1000,1300 ; v1(1250,1100) 1200,1100 1000,1300
"NetBattery Regulator_4": "Battery Regulator.4" C1.1 R5.2 | length 585
  Top Layer w10: R5.2 853.94,1360.63 950,1264.57 950,1200 ; C1.1 873.62,1247.05 883.39,1237.28 886.34,1237.28 923.62,1200 950,1200 ; 1175.2,1274.8 1150,1249.61 1150,1205.86 1144.14,1200 950,1200
"NetBattery Regulator_7": "Battery Regulator.7" R7.2 R8.1 | length 507.1
  Top Layer w9: 1251.97,1237.4 1251.28,1236.72 1251.28,1155.27 1256.56,1150 1337.25,1150 1372.24,1115.01 R7.2 R7.2@1450,1112.08 ; 1472.88,1089.2 1477.78,1089.2
  Top Layer w10: R7.2@1450,1112.08 1472.88,1089.2 ; 1477.78,1089.2 1550,1016.98 R8.1
"NetBattery Regulator_8": "Battery Regulator.8" Cff.2 R1.2 R2.1 | length 1265.5
  Top Layer w8: 1271.65,1237.4 1271.65,1227.56 1299.21,1200 v1(1300,1200)
  Top Layer w10: R1.2 1200,387.92 1216.78,404.69 1267,404.69 1286.94,424.63 R2.1 v1(1350,500) 1351.57,498.43 1598.43,498.43 Cff.2
  Layer 3 w10: v1(1300,1200) 1350.43,1149.57 1350.43,500.43 v1(1350,500)
"NetBattery Regulator_10": "Battery Regulator.10" C10.2 C11.1 L1.2 Rsr.2 | length 1311.5
  Top Layer w8: 1309.06,1294.49 1436.68,1294.49 1470.41,1260.76 1589.24,1260.76 C10.2 C11.1
  Top Layer w40: C10.2 v1(1700,1250) ; v1(1900,800) 1901.91,798.09 1901.91,792.57 1980.31,714.17 L1.2 Rsr.2@2000,868.35
  Layer 3 w20: v1(1700,1250) 1900,1050 v1(1900,800)
"NetBattery Regulator_12": "Battery Regulator.12" C5.2 D1.1 | length 1061
  Top Layer w9: 1309.06,1333.86 1333.86,1333.86 v1(1400,1400) ; C5.2 1355.23,709.73 1376.43,730.93 1419.84,730.93 1438.91,750 v1(1450,750) 1526.15,673.85 1551.35,673.85 1562.6,662.6 D1.1
  Layer 3 w9: v1(1400,1400) 1450,1350 v1(1450,750)
"NetBattery Regulator_13": "Battery Regulator.13" Q2.4 | length 717.5
  Top Layer w8: 1271.65,1371.26 1271.65,1381.1 1340.55,1450 v1(1350,1450)
  Top Layer w10: Q2.4 v1(1700,1750)
  Layer 3 w8: v1(1350,1450) 1600,1700 1695.31,1700 1700,1704.69 v1(1700,1750)
"NetBattery Regulator_14": "Battery Regulator.14" C6.2 L1.1 Q1.1 Q1.2 Q1.3 Q2.5 Q2.6 Q2.7 Q2.8 Q2.9 | length 1162.8
  Top Layer w9: 1251.97,1371.26 1251.97,1451.97 v1(1300,1500) v1@1307.84,1507.84
  Top Layer w10: Q1.3 Q1.2 Q1.1 1168.43,1575 1193.43,1600 v1(1200,1600) ; v1@1307.84,1507.84 1307.84,1531.07 Q2.8@1376.77,1600 ; Q2.8 Q2.7 Q2.6 Q2.5
  Top Layer w40: C6.2 1800,666.14 1980.31,485.83 L1.1
  Layer 3 w10: v1(1200,1600) v1(1300,1500)
"NetBattery Regulator_15": "Battery Regulator.15" Q1.4 | length 474.5
  Top Layer w9: Q1.4@1090.94,1725 1115.94,1700 1200,1700 1232.28,1667.72 1232.28,1371.26
  Top Layer w10: Q1.4 Q1.4@1090.94,1725
"NetBattery Regulator_16": "Battery Regulator.16" C6.1 D1.3 | length 1159.1
  Top Layer w9: v1(1150,1450) 1150,1443.7 1212.6,1381.1 1212.6,1371.26 ; v1(1600,800) D1.3 1742.49,739.37 1752.76,749.63 C6.1
  Power w10: v1(1150,1450) 1600,1000 v1(1600,800)
NetC2_1: C2.1 R11.2 | length 204.9
  Top Layer w10: C2.1 538.23,1472.05 R11.2
NetC8_2: C8.2 C9.2 D2.1 Q1.5 Q1.6 Q1.7 Q1.8 Q1.9 R6.2 | length 1659.6
  Top Layer w10: C9.2 594.14,1150 600,1155.86 600,1300 ; C8.2 600,1300 ; Q1.8 Q1.7 Q1.6 Q1.5 725,1725 700,1750 ; R6.2 721.75,1837.76 D2.1 700,1750 ; 600,1300 700,1400 700,1750
NetR5_1: R5.1 R9.1 R10.2 | length 85.2
  Top Layer w10: R10.2 R9.1
"Program Rx": "Male UART Programming.3" ESP32-S3-WROOM-1-N8R8.37 | length 1029.4
  Top Layer w10: ESP32-S3-WROOM-1-N8R8.37 4407.2,2094.37 4425.66,2094.37 4472.87,2047.16 4472.87,1183.9 4428.35,1139.37
"Program Tx": "Male UART Programming.4" ESP32-S3-WROOM-1-N8R8.36 | length 872.7
  Top Layer w10: ESP32-S3-WROOM-1-N8R8.36 4407.2,2044.37 4425.66,2044.37 4439.02,2031.02 4439.02,1242.05 4428.35,1231.38 4428.35,1218.11
"Radar Rx": "Male UART Radar.1" ESP32-S3-WROOM-1-N8R8.11 | length 2008.9
  Top Layer w10: v1(4300,200) 4310.82,200 4328.93,181.89 4428.35,181.89
  Layer 3 w10: v1(3600,1750) 4340,1010 4340,240 v1(4300,200)
  other v2: 3850,1500
"Radar Tx": "Male UART Radar.2" ESP32-S3-WROOM-1-N8R8.10 | length 1971.6
  Top Layer w10: v1(4300,300) 4339.37,260.63 4428.35,260.63
  Layer 3 w10: v1(3600,1800) 3593.43,1800 3560,1766.57 3560,1040 v1(4300,300)
Wall+: "Wall Adapter.1" D2.2 R11.1 | length 494.1
  Top Layer w40: 300,2448.03 300.98,2449.02 549.02,2449.02 v1(550,2450) ; R11.1 v1(550,1850) ; D2.2 v1(700,2250)
pads on no net: "5V Buck.3" "Battery Regulator.3" "Battery Regulator.5" "Battery Regulator.17" "Male UART Programming.1" "Wall Adapter.3" D1.2 ESP32-S3-WROOM-1-N8R8.4 ESP32-S3-WROOM-1-N8R8.5 ESP32-S3-WROOM-1-N8R8.6 ESP32-S3-WROOM-1-N8R8.7 ESP32-S3-WROOM-1-N8R8.8 ESP32-S3-WROOM-1-N8R8.9 ESP32-S3-WROOM-1-N8R8.12 ESP32-S3-WROOM-1-N8R8.15 ESP32-S3-WROOM-1-N8R8.16 ESP32-S3-WROOM-1-N8R8.17 ESP32-S3-WROOM-1-N8R8.18 ESP32-S3-WROOM-1-N8R8.19 ESP32-S3-WROOM-1-N8R8.20 ESP32-S3-WROOM-1-N8R8.21 ESP32-S3-WROOM-1-N8R8.22 ESP32-S3-WROOM-1-N8R8.23 ESP32-S3-WROOM-1-N8R8.24 ESP32-S3-WROOM-1-N8R8.25 ESP32-S3-WROOM-1-N8R8.26 ESP32-S3-WROOM-1-N8R8.28 ESP32-S3-WROOM-1-N8R8.29 ESP32-S3-WROOM-1-N8R8.30 ESP32-S3-WROOM-1-N8R8.31 ESP32-S3-WROOM-1-N8R8.32 ESP32-S3-WROOM-1-N8R8.33 ESP32-S3-WROOM-1-N8R8.34 ESP32-S3-WROOM-1-N8R8.35 ESP32-S3-WROOM-1-N8R8.38 ESP32-S3-WROOM-1-N8R8.39 ESP32-S3-WROOM-1-N8R8.41_10 ESP32-S3-WROOM-1-N8R8.41_11 ESP32-S3-WROOM-1-N8R8.41_12 ESP32-S3-WROOM-1-N8R8.41_13 ESP32-S3-WROOM-1-N8R8.41_14 ESP32-S3-WROOM-1-N8R8.41_15 ESP32-S3-WROOM-1-N8R8.41_16 ESP32-S3-WROOM-1-N8R8.41_17 ESP32-S3-WROOM-1-N8R8.41_18 ESP32-S3-WROOM-1-N8R8.41_19 ESP32-S3-WROOM-1-N8R8.41_20 ESP32-S3-WROOM-1-N8R8.41_21 MicroUSB.1 MicroUSB.4 SW_Boot.A2 SW_Boot.B2 SW_EN.A1 SW_EN.B1

## Polygon pours and split planes (outlines as drawn)
"Net3.3V Buck_3" on Power "NET3.3V_BUCK_3_L03_P006" (solid, pour order 6): 1650,2250 2300,2250 2300,1150 2350,1100 1650,1100
"3.3V DC" on Power "3.3V_DC_L03_P001" (solid, pour order 1): 2800,2500 3100,2500 3100,2000 2800,2000
"5V DC" on Power "5V_DC_L03_P008" (solid, pour order 8): 3100,1050 3400,1050 3400,550 3100,550
Wall+ on Power "WALL+_L03_P005" (solid, pour order 5): 50,2550 850,2550 850,1700 50,1700
"5V DC" on Power "5V_DC_L03_P004" (solid, pour order 4): 3400,1300 2950,1300 2950,1450 3400,1450
"5V DC" on Power "5V_DC_L03_P002" (solid, pour order 2): 2700,1050 3400,1050 3400,1300 2700,1300
GND on Top Layer "GND_L01_P009" (solid, pour order 9): 3900,2050 4100,2050 4100,1850 3900,1850
GND on GND "GND_L02_P000" (solid, pour order 0): 0,2600 4600,2600 4600,0 0,0

## Silkscreen, mask and mechanical layers (free items; w line width, h text height)
Mechanical 1:
  the board outline again, w10

## Text inside footprints (layer, text, board x,y; h text height)
ESP32-S3-WROOM-1-N8R8: Mechanical 13 "ANTENNA" at 3872.83,2424.02 h50
L3: Mechanical 13 "*" at 2856,2400 h50 r180; Top Overlay "*" at 2916,2400 h50 r180
"Wall Adapter": Mechanical 13 "RefDes2" at 212.5,2299.02 h50; Top Overlay "RefDes" at 225,2299.02 h50; Top Overlay "REFDES" at 212.5,2299.02 h50